# KiCad board main-board.kicad_pcb
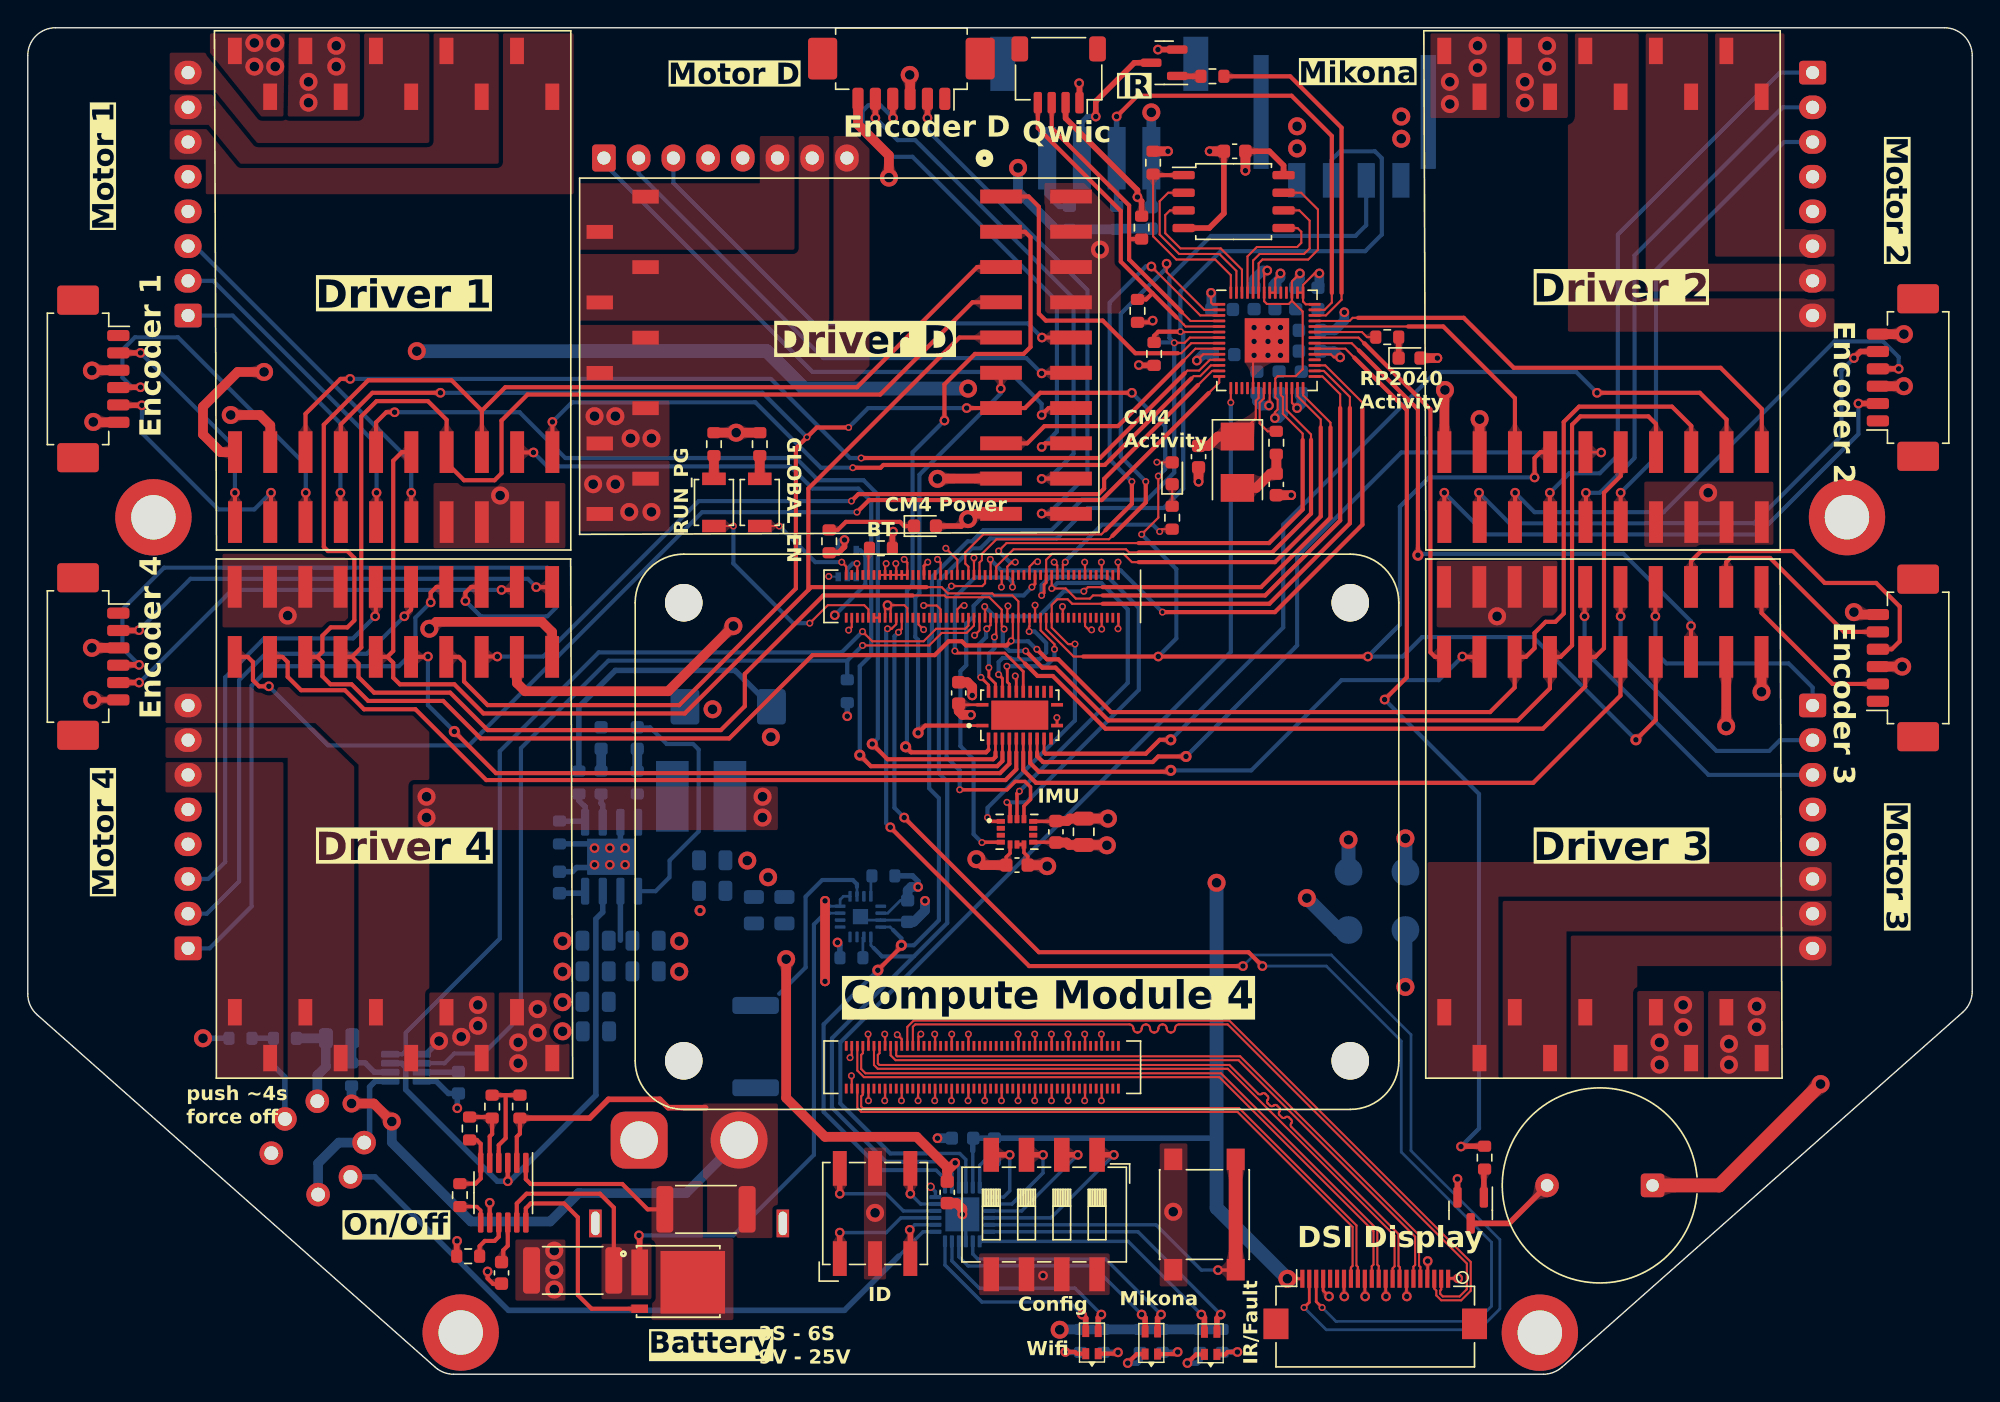
[diagram p0: board, top side]
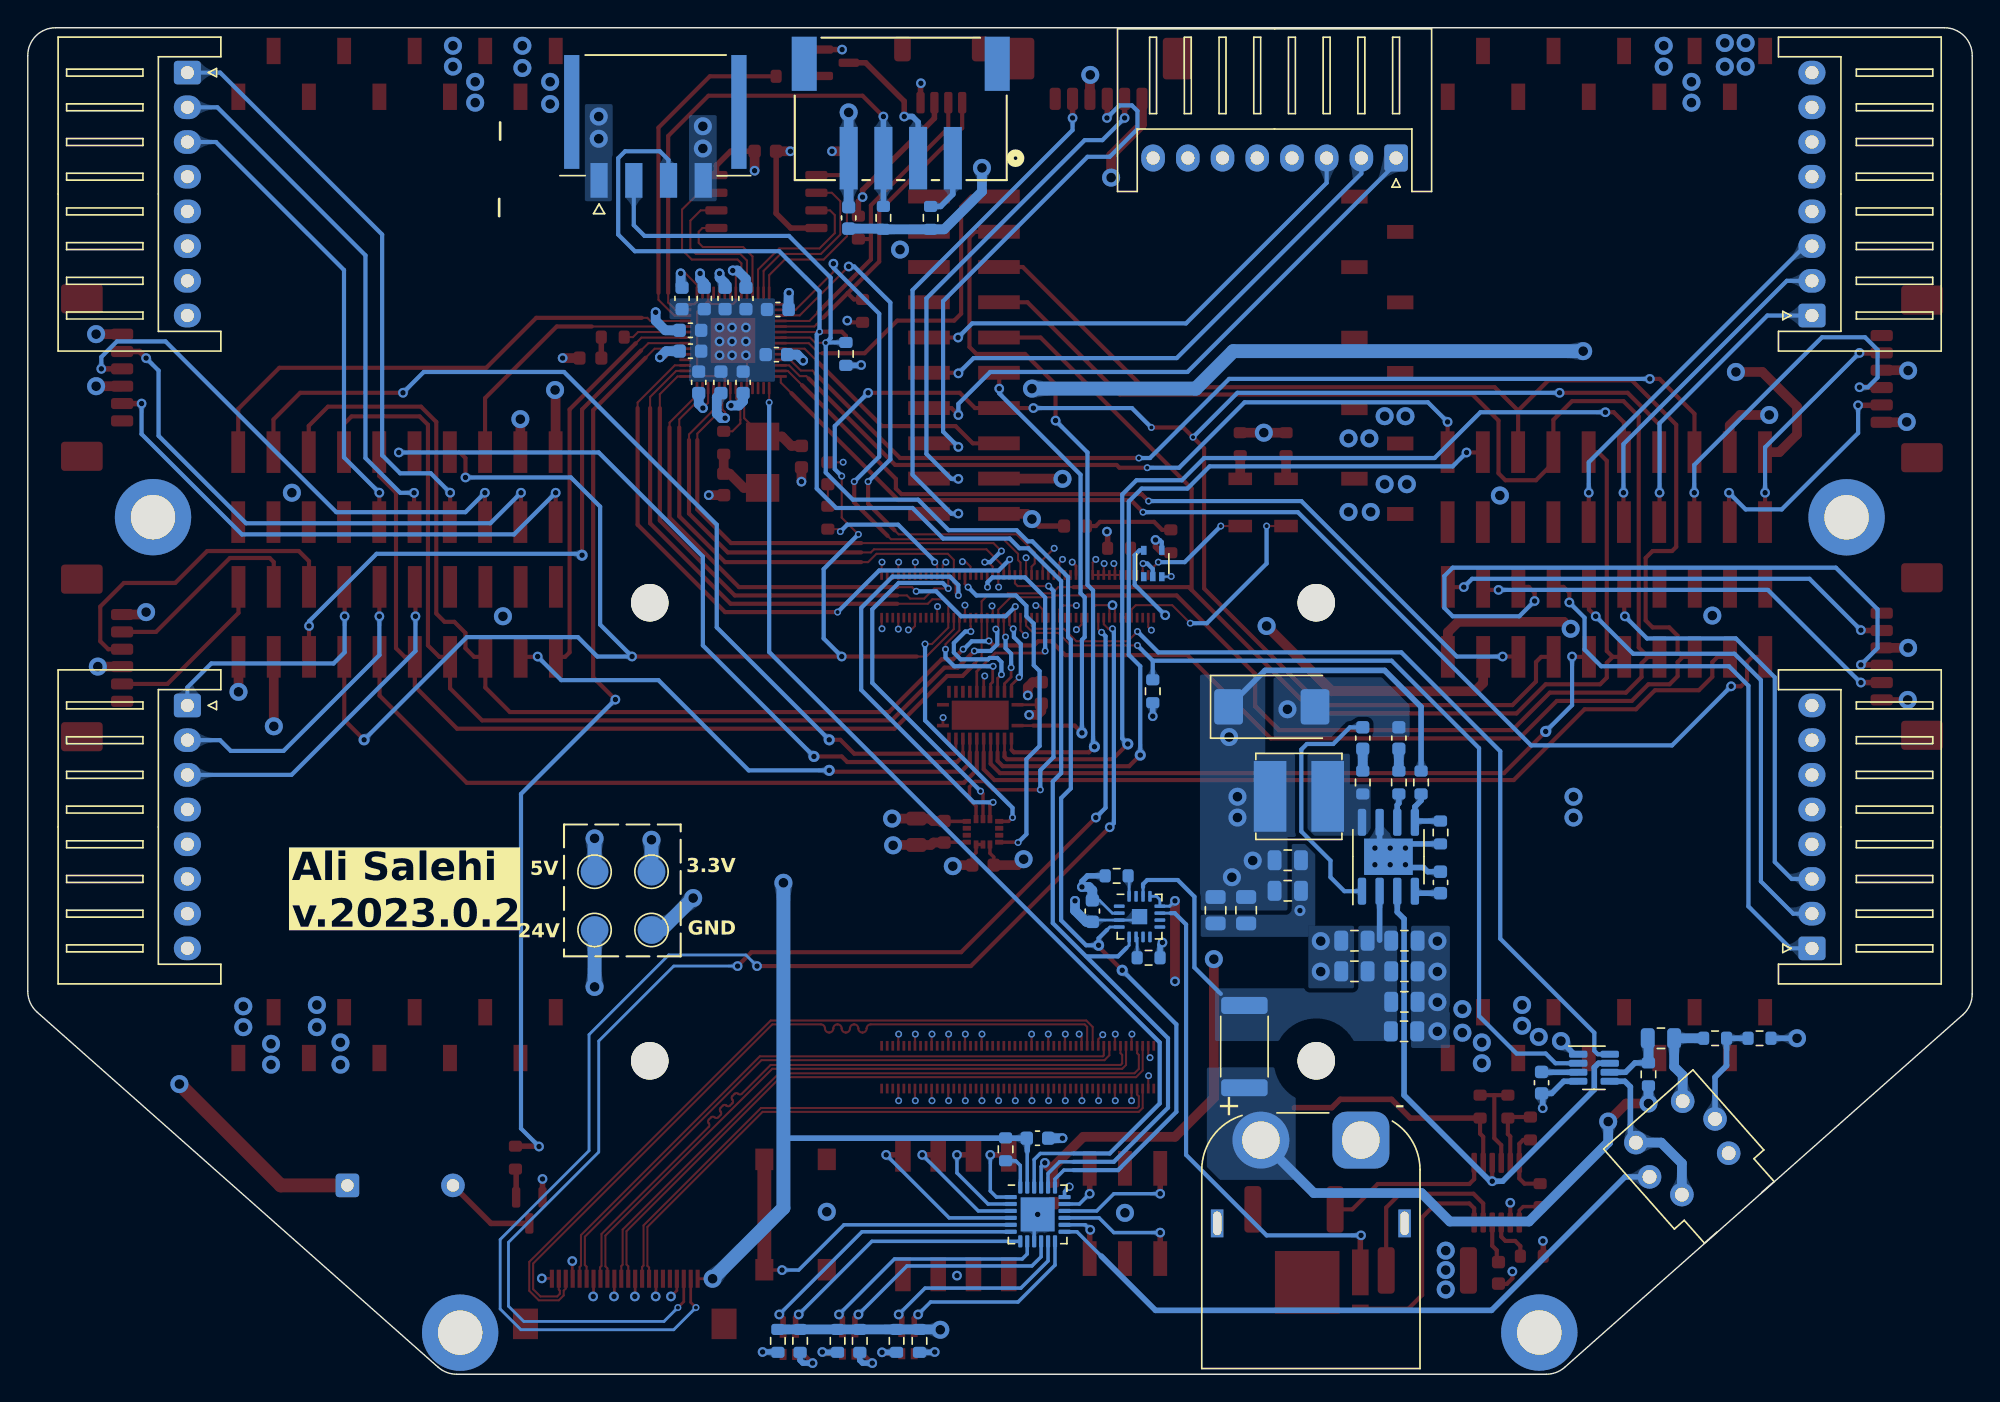
[diagram p1: board, bottom side, seen from below]

Outline 140.04 x 97 mm; copper layers: Top, In1.Cu, In2.Cu, Bottom. Coordinates in mm from the lower left corner of the outline.
Outline path: 0,95 0,27.4 arc(0.18,26.57) 0.67,25.9 29.35,0.5 arc(29.96,0.13) 30.67,0 109.16,0 arc(109.86,0.13) 110.48,0.5 139.37,26.09 arc(139.86,26.76) 140.04,27.58 140.04,95 arc(139.45,96.41) 138.04,97 2,97 arc(0.59,96.41) 0,95
Stack: Top 0.04mm / dielectric 0.2mm FR4 er 4.6 / In1.Cu 0.03mm / dielectric 1.03mm FR4 er 4.5 / In2.Cu 0.03mm / dielectric 0.2mm FR4 er 4.5 / Bottom 0.04mm

## Placement (name value [footprint] x y rotation side)
BZ501  Buzzer  [Indicator_PUI_AI-1440-TWT-24V-2-R]  117.02 13.6 180 top
C201  100nF  [C_0603_1608Metric]  67.04 49.08 90 top
C301  10nF  [C_0805_2012Metric]  22.42 24.2 180 bottom
C302  470nF  [C_0603_1608Metric]  31.02 21 270 bottom
C303  100nF  [C_0603_1608Metric]  63.37 33.37 270 bottom
C304  180nF  [C_0603_1608Metric]  34.12 7.3 270 top
C305  10uF  [C_0805_2012Metric]  49.29 37.03 180 bottom
C306  10uF  [C_0805_2012Metric]  52.29 33.43 270 bottom
C307  10uF  [C_0805_2012Metric]  49.29 34.83 180 bottom
C308  10uF  [C_0805_2012Metric]  54.49 33.43 270 bottom
C309  100nF  [C_0603_1608Metric]  43.89 45.83 90 bottom
C310  100uF  [CP_EIA-7343-31_Kemet-D]  50.44 48.08 180 bottom
C311  10uF  [C_0805_2012Metric]  40.89 26.83 180 bottom
C312  10uF  [C_0805_2012Metric]  44.49 31.23 0 bottom
C313  10uF  [C_0805_2012Metric]  40.89 31.23 180 bottom
C314  10uF  [C_0805_2012Metric]  44.49 29.03 0 bottom
C315  10uF  [C_0805_2012Metric]  40.89 29.03 180 bottom
C316  10uF  [C_0805_2012Metric]  40.92 24.7 180 bottom
C317  100nF  [C_0603_1608Metric]  38.29 35.43 90 bottom
C318  1.2nF  [C_0603_1608Metric]  41.29 45.83 90 bottom
C401  100nF  [C_0603_1608Metric]  66.22 13.1 270 top
C501  100nF  [C_0603_1608Metric]  88.32 77.5 270 bottom
C502  100nF  [C_0603_1608Metric]  90.12 71.45 90 bottom
C503  100nF  [C_0603_1608Metric]  89.82 77.5 270 bottom
C504  100nF  [C_0603_1608Metric]  86.02 76.7 0 bottom
C505  100nF  [C_0603_1608Metric]  92.32 75.2 180 bottom
C506  100nF  [C_0603_1608Metric]  86.12 73.45 0 bottom
C507  100nF  [C_0603_1608Metric]  88.52 71.45 90 bottom
C508  100nF  [C_0603_1608Metric]  91.72 71.45 90 bottom
C509  100nF  [C_0603_1608Metric]  92.32 73.7 180 bottom
C510  1uF  [C_0603_1608Metric]  91.32 77.5 270 bottom
C511  1uF  [C_0603_1608Metric]  92.92 77.5 270 bottom
C512  27pF  [C_0603_1608Metric]  84.32 66.1 270 top
C513  27pF  [C_0603_1608Metric]  89.92 64.1 270 top
C514  100nF  [C_0603_1608Metric]  86.92 88.1 180 top
C515  100nF  [C_0603_1608Metric]  67.32 17 180 bottom
C601  100nF  [C_0603_1608Metric]  80.92 83.3 90 bottom
C602  100nF  [C_0603_1608Metric]  74.04 39.08 90 top
C603  2.2uF  [C_0805_2012Metric]  76.04 39.08 90 top
C604  10nF  [C_0603_1608Metric]  71.24 36.68 0 top
D201  LED Red  [LED_0603_1608Metric]  64.62 61.1 0 top
D202  LED Green  [LED_0603_1608Metric]  82.42 64.9 90 top
D401  WIFI  [B2612U]  76.64 2.28 90 top
D402  MIKONA  [B2612U]  80.92 2.25 90 top
D403  IR / FAULT  [B2612U]  85.19 2.23 90 top
D501  LED Green  [LED_0603_1608Metric]  99.52 73.2 0 top
H101  MountingHole_Pad  [MountingHole_3.2mm_M3_ISO14580_Pad]  9.05 61.73 0 top
H102  MountingHole_Pad  [MountingHole_3.2mm_M3_ISO14580_Pad]  131.02 61.74 0 top
H103  MountingHole_Pad  [MountingHole_3.2mm_M3_ISO14580_Pad]  31.18 3 0 top
H104  MountingHole_Pad  [MountingHole_3.2mm_M3_ISO14580_Pad]  108.9 2.99 0 top
J101  Battery  [AMASS_XT60PW-M_1x02_P7.20mm_Horizontal]  44.03 16.87 0 bottom
J102  Mikona  [MOLEX_1054301204]  94.84 90.78 0 bottom
J201  DSI  [Hirose_FH12-22S-0.5SH_1x22-1MP_P0.50mm_Horizontal]  97.04 5.03 0 top
J601  Qwiic  [JST_SH_SM04B-SRSS-TB_1x04-1MP_P1.00mm_Horizontal]  74.24 93.6 180 top
J602  IR  [CONN_S4B-XH-SM4-TB_JST]  77.17 91.16 0 bottom
J705  ENC1  [Molex_PicoBlade_53261-0671_1x06-1MP_P1.25mm_Horizontal]  4.12 71.7 270 top
J706  ENC2  [Molex_PicoBlade_53261-0671_1x06-1MP_P1.25mm_Horizontal]  135.64 71.8 90 top
J707  M1  [JST_XH_S8B-XH-A_1x08_P2.50mm_Horizontal]  11.54 76.27 90 bottom
J708  M2  [JST_XH_S8B-XH-A_1x08_P2.50mm_Horizontal]  128.54 93.77 270 bottom
J711  ENC3  [Molex_PicoBlade_53261-0671_1x06-1MP_P1.25mm_Horizontal]  135.64 51.6 90 top
J712  ENC4  [Molex_PicoBlade_53261-0671_1x06-1MP_P1.25mm_Horizontal]  4.12 51.7 270 top
J713  M3  [JST_XH_S8B-XH-A_1x08_P2.50mm_Horizontal]  128.54 48.18 270 bottom
J714  M4  [JST_XH_S8B-XH-A_1x08_P2.50mm_Horizontal]  11.54 30.68 90 bottom
J717  ENCD  [Molex_PicoBlade_53261-0671_1x06-1MP_P1.25mm_Horizontal]  62.92 94.28 180 top
J718  MD  [JST_XH_S8B-XH-A_1x08_P2.50mm_Horizontal]  41.49 87.62 0 bottom
L301  3.3µH  [L_Bourns_SRN6045TA]  48.49 41.63 0 bottom
Module201  ComputeModule4-CM4  [rpi-cm4]  47.24 55.58 270 top
Q301  BSC014N04LS  [TRANS_BSC014N04LSIATMA1]  46.84 6.68 0 top
Q501  BSS138  [SOT-23]  103.92 11.8 270 top
Q601  BSS138  [SOT-23]  81.84 94.48 180 top
R201  0  [R_0603_1608Metric]  61.44 59.5 0 top
R204  200  [R_0603_1608Metric]  52.72 67 270 top
R205  1K  [R_0603_1608Metric]  57.72 60 270 top
R206  1K  [R_0603_1608Metric]  82.42 61.7 270 top
R207  200  [R_0603_1608Metric]  49.42 67 270 top
R301  1mΩ  [R_2512_6332Metric]  48.84 11.88 0 top
R302  1mΩ  [R_2512_6332Metric]  39.24 7.48 0 top
R303  1K  [R_0603_1608Metric]  23.32 21.6 90 bottom
R304  1M  [R_0603_1608Metric]  35.44 19.28 90 top
R305  1K  [R_0603_1608Metric]  61.62 35.9 180 bottom
R306  5.6K  [R_0603_1608Metric]  33.44 19.28 270 top
R307  40.2K  [R_0603_1608Metric]  31.82 17.7 270 top
R308  1K  [R_0603_1608Metric]  59.32 30 0 bottom
R309  24K  [R_0603_1608Metric]  31.12 12.9 270 top
R310  10  [R_0603_1608Metric]  43.89 42.63 90 bottom
R311  2mΩ  [R_2512_6332Metric]  52.42 23.6 270 bottom
R312  12K 1%  [R_0603_1608Metric]  39.69 42.63 270 bottom
R313  20K 1%  [R_0603_1608Metric]  41.29 42.63 90 bottom
R314  2.2K 1%  [R_0603_1608Metric]  38.29 39.03 270 bottom
R315  1K  [R_0603_1608Metric]  31.72 8.5 0 top
R316  1K  [R_0603_1608Metric]  59.02 49.2 270 bottom
R317  1K  [R_0603_1608Metric]  18.52 24.2 0 bottom
R318  1K  [R_0603_1608Metric]  15.32 24.2 180 bottom
R401  10K  [R_0603_1608Metric]  69.62 16.2 270 bottom
R402  1K  [R_0603_1608Metric]  75.82 2.4 270 bottom
R403  1K  [R_0603_1608Metric]  77.47 2.4 270 bottom
R404  1K  [R_0603_1608Metric]  80.12 2.4 270 bottom
R405  1K  [R_0603_1608Metric]  81.72 2.4 270 bottom
R406  1K  [R_0603_1608Metric]  84.42 2.4 270 bottom
R407  1K  [R_0603_1608Metric]  86.02 2.4 270 bottom
R501  10  [R_0603_1608Metric]  104.92 15.6 270 top
R502  1K  [R_0603_1608Metric]  89.92 67.1 270 top
R503  1K  [R_0603_1608Metric]  97.91 74.71 0 top
R504  10K  [R_0603_1608Metric]  81.04 87.28 270 top
R505  1.8K  [R_0603_1608Metric]  80.22 82.6 270 top
R506  1.8K  [R_0603_1608Metric]  79.92 76.6 90 top
R507  1.8K  [R_0603_1608Metric]  81.12 73.5 90 top
R508  1.8K  [R_0603_1608Metric]  81.12 73.5 90 bottom
R601  300  [R_0603_1608Metric]  75.02 83.3 90 bottom
R602  36  [R_0603_1608Metric]  78.42 83.3 90 bottom
R603  10  [R_0603_1608Metric]  85.32 93.5 180 top
SW201  SW_Push  [SW_SPST_B3U-1000P]  52.72 62.8 270 top
SW202  SW_Push  [SW_SPST_B3U-1000P]  49.42 62.8 270 top
SW301  -  [228ADS2]  20.91 12.94 48.5 bottom
SW501  SH-7050  [Nidec_Copal_SH-7010A]  61.02 11.58 90 top
SW502  SW_DIP_x04  [SW_DIP_SPSTx04_Slide_6.7x11.72mm_W8.61mm_P2.54mm_LowProfile]  73.2 11.5 270 top
SW503  S_D_2  [SW_Push_1P1T_NO_6x6mm_H9.5mm]  84.74 11.5 270 top
TP301  24V  [TestPoint_Pad_D2.0mm]  99.22 32 90 bottom
TP302  5V  [TestPoint_Pad_D2.0mm]  99.22 36.2 90 bottom
TP303  3.3V  [TestPoint_Pad_D2.0mm]  95.12 36.2 90 bottom
TP304  GND  [TestPoint_Pad_D2.0mm]  95.12 32 90 bottom
U1  ~  [MotorDriver-SMT]  14.94 65.18 90 top
U2  ~  [MotorDriver-SMT]  102.04 65.18 90 top
U3  ~  [MotorDriver-SMT]  124.84 52.93 270 top
U4  ~  [MotorDriver-SMT]  37.74 52.93 270 top
U5  ~  [MotorDriver-SMT]  71.34 62 180 top
U201  74154  [DHVQFN24]  71.44 47.48 90 top
U202  74LVC1G07SE-7  [SOT-353_SC-70-5]  59.02 58.4 90 bottom
U301  LTC2955CTS8-1  [TSOT-23-8]  27.24 22.08 180 bottom
U302  PAC1954  [VQFN-16-1EP_3x3mm_P0.5mm_EP1.1x1.1mm]  59.97 32.97 180 bottom
U303  LTC4231-2  [MSOP-12_3x4mm_P0.65mm]  34.24 13.08 270 top
U304  AP64501SP-13  [SOIC-8-1EP_3.9x4.9mm_P1.27mm_EP2.62x3.51mm]  42.04 37.28 90 bottom
U501  RP2040  [QFN-56-1EP_7x7mm_P0.4mm_EP3.2x3.2mm]  89.24 74.48 0 top
U502  PI4IOE5V6416  [WQFN-24-1EP_4x4mm_P0.5mm_EP2.45x2.45mm]  67.31 11.51 180 bottom
U503  W25Q128JVS  [SOIC-8_5.23x5.23mm_P1.27mm]  86.84 84.48 0 top
U601  ICM-42688-P  [PQFN50P300X250X97-14N]  71.24 39.08 0 top
Y501  12MHz  [Crystal_SMD_5032-2Pin_5.0x3.2mm]  87.12 65.7 270 top

## Library data of the parts
BZ501 = -: Description: Buzzer, polarized; MPN: CPI-137-83T
C201 C303 C309 C317 C401 C501-C509 C514 C515 C601 C602 = -: Description: Unpolarized capacitor, small symbol; MPN: C0603C104K4RAC7081
C301 = -: Description: Unpolarized capacitor, small symbol; MPN: C0805C103K1RAC7025
C302 = -: Description: Unpolarized capacitor, small symbol; MPN: GRM188R71E474KA12J
C304 = -: Description: Unpolarized capacitor, small symbol; MPN: GCM188R71E184KA55D
C305-C308 C311-C316 = -: Description: Unpolarized capacitor, small symbol; MPN: GRM21BR61H106KE43L
C310 = -: Description: Polarized capacitor, small symbol; MPN: T491D107K010AT
C318 = -: Description: Unpolarized capacitor, small symbol; MPN: C0603C122K5RAC7867
C510 C511 = -: Description: Unpolarized capacitor, small symbol; MPN: C0603C105K4RAC7411
C512 C513 = -: Description: Unpolarized capacitor, small symbol; MPN: 06035C270JAT2A
C603 = -: Description: Unpolarized capacitor, small symbol; MPN: CC0805KKX7R9BB225
C604 = -: Description: Unpolarized capacitor, small symbol; MPN: C0603C103M5RAC7411
D201 = -: Description: Light emitting diode; MPN: B1911USD-20D000114U1930
D202 D501 = -: Description: Light emitting diode; MPN: B1911PG--20D000514U1930
D401 = -: Description: Dual LED, cathodes on pins 1 and 3; MPN: B2612UDNB20D000312U1930
D402 = -: Description: Dual LED, cathodes on pins 1 and 3; MPN: B2612UYNG20D000412U1930
D403 = -: Description: Dual LED, cathodes on pins 1 and 3; MPN: B2612USUG20D000312U1930
H101-H104 = -: Description: Mounting Hole with connection
J101 = -: Description: Generic connector, single row, 01x02, script generated (kicad-library-utils/schlib/autogen/connector/); MPN: XT60PW-M
J102 = -: Description: Generic connector, single row, 01x04, script generated (kicad-library-utils/schlib/autogen/connector/); MPN: 1054301204
J201 = -: Description: Generic connector, single row, 01x22, script generated (kicad-library-utils/schlib/autogen/connector/); MPN: FH12-22S-0.5SH55
J601 = -: Description: Generic connector, single row, 01x04, script generated (kicad-library-utils/schlib/autogen/connector/); MPN: SM04B-SRSS-TB(LF)(SN)
J602 = -: Description: Generic connector, single row, 01x04, script generated (kicad-library-utils/schlib/autogen/connector/); MPN: S4B-XH-SM4-TB(LF)(SN)
J705 J706 J711 J712 J717 = -: Description: Generic connector, single row, 01x06, script generated (kicad-library-utils/schlib/autogen/connector/); MPN: 0532610671
J707 J708 J713 J714 J718 = -: Description: Generic connector, single row, 01x08, script generated (kicad-library-utils/schlib/autogen/connector/); MPN: S8B-XH-A(LF)(SN)
L301 = -: Description: Inductor; MPN: SRN6045TA-3R3Y
Module201 = -: MPN: 2x DF40C-100DS-0.4V(51)
Q301 = -: MPN: BSC014N04LSIATMA1
Q501 Q601 = -: Description: 50V Vds, 0.22A Id, N-Channel MOSFET, SOT-23; MPN: BSS138-7-F
R201 = -: Description: Resistor, small US symbol; MPN: RMCF0603ZT0R00
R204 R207 = -: Description: Resistor, small US symbol; MPN: RC0603FR-13200RL
R205 R206 R303 R305 R308 R315-R318 R402-R407 R502 R503 = -: Description: Resistor, small US symbol; MPN: RC0603FR-101KL
R301 R302 = -: Description: Resistor, small US symbol; MPN: EBWM2512F1L00S9
R304 = -: Description: Resistor, small US symbol; MPN: RC0603DR-071ML
R306 = -: Description: Resistor, small US symbol; MPN: RT0603DRE075K6L
R307 = -: Description: Resistor, small US symbol; MPN: RT0603DRE0740K2L
R309 = -: Description: Resistor, small US symbol; MPN: RT0603DRE0724KL
R310 R501 R603 = -: Description: Resistor, small US symbol; MPN: RC0603FR-1010RL
R311 = -: Description: Resistor, small US symbol; MPN: PEWF2512F2L00Q9
R312 = -: Description: Resistor, small US symbol; MPN: RC0603FR-1312KL
R313 = -: Description: Resistor, small US symbol; MPN: RC0603FR-0720KL
R314 = -: Description: Resistor, small US symbol; MPN: RC0603FR-132K2L
R401 R504 = -: Description: Resistor, small US symbol; MPN: RC0603JR-1010KL
R505-R508 = -: Description: Resistor, small US symbol; MPN: RC0603FR-101K8L
R601 = -: Description: Resistor, small US symbol; MPN: RC0603JR-07300RL
R602 = -: Description: Resistor, small US symbol; MPN: RC0603FR-0736RL
SW201 SW202 = -: Description: Push button switch, generic, two pins; MPN: B3U-1000P
SW301 = -: Description: MEC 5G single pole normally-open illuminated tactile switch with two LEDs; MPN: 228ADS2AAWFCMBA
SW501 = -: Description: Rotary switch, 4-bit encoding, 16 positions, Real code; MPN: SH-7050TA
SW502 = -: Description: 4x DIP Switch, Single Pole Single Throw (SPST) switch, small symbol; MPN: 219-4MST
SW503 = -: Description: Push button switch, generic, two pins; MPN: PTS645SL43SMTR92 LFS
TP301-TP304 = -: Description: test point
U1-U5 = -: MPN: 61032021821 + NPPC101KFXC-RC
U201 = -: MPN: 74HCT154BQ,118
U202 = -: Description: Single Buffer Gate w/ Open Drain, Low-Voltage CMOS
U301 = -: MPN: LTC2955CTS8-1#TRMPBF
U302 = -: Description: Four Channel High-side Power Monitor, 32V, I2C, VQFN-16; MPN: PAC1954T-E/4MX
U303 = -: MPN: LTC4231CMS-2#PBF
U501 = -: Description: A microcontroller by Raspberry Pi; MPN: SC0914(13)
U502 = -: Description: I/O Expander 16 I²C 400 kHz 24-TQFN (4x4); MPN: PI4IOE5V6416ZDEX
U503 = -: Description: 128Mb Serial Flash Memory, Standard/Dual/Quad SPI, SOIC-8; MPN: W25Q128JVSIQ
Y501 = -: Description: Two pin crystal; MPN: 445C25D12M00000

## Footprints (pads in the part's own frame, mm; a bottom-side part is the same pattern mirrored in y, then rotated)
228ADS2
  round 1.7 hole 1: 1(5,-4.5) 2(0,-4.5) 3(5,0) 4(0,0) L1(2.5,0.9) L2(2.5,-5.4)
AMASS_XT60PW-M_1x02_P7.20mm_Horizontal
  rect 0.9x2 hole 0.6x1.7: (-3.15,6) (10.35,6)
  rrect 4.1x4.1 hole 2.7: 1(0,0)
  round 4.1 hole 2.7: 2(7.2,0)
B2612U
  rect 0.8x0.5 smd: 1(-0.8,-0.45) 2(0.8,-0.45) 3(0.8,0.45) 4(-0.8,0.45)
C_0603_1608Metric
  rrect 0.9x0.95 smd: 1(-0.775,0) 2(0.775,0)
C_0805_2012Metric
  rrect 1x1.45 smd: 1(-0.95,0) 2(0.95,0)
CONN_S4B-XH-SM4-TB_JST
  rect 1.3x4.5 smd: 1(-3.75,3.552) 2(-1.25,3.552) 3(1.25,3.552) 4(3.75,3.552)
  rect 1.8x3.9 smd: MP(-6.95,-3.248) MP(6.95,-3.248)
CP_EIA-7343-31_Kemet-D
  rrect 2.075x2.55 smd: 1(-3.112,0) 2(3.112,0)
Crystal_SMD_5032-2Pin_5.0x3.2mm
  rect 2x2.4 smd: 1(-1.85,0) 2(1.85,0)
DHVQFN24
  rect 0.26x0.86 smd: 1(-0.75,2.685) 12(-0.75,-2.685) 13(0.75,-2.685) 24(0.75,2.685)
  rect 0.86x0.26 smd: 2(-1.685,2.25) 3(-1.685,1.75) 4(-1.685,1.25) 5(-1.685,0.75) 6(-1.685,0.25) 7(-1.685,-0.25) 8(-1.685,-0.75) 9(-1.685,-1.25) 10(-1.685,-1.75) 11(-1.685,-2.25) 14(1.685,-2.25) 15(1.685,-1.75) 16(1.685,-1.25) 17(1.685,-0.75) 18(1.685,-0.25) 19(1.685,0.25) 20(1.685,0.75) 21(1.685,1.25) 22(1.685,1.75) 23(1.685,2.25)
  rect 2.1x4.1 smd: 25(0,0)
Hirose_FH12-22S-0.5SH_1x22-1MP_P0.50mm_Horizontal
  rect 0.3x1.3 smd: 1(5.25,1.85) 2(4.75,1.85) 3(4.25,1.85) 4(3.75,1.85) 5(3.25,1.85) 6(2.75,1.85) 7(2.25,1.85) 8(1.75,1.85) 9(1.25,1.85) 10(0.75,1.85) 11(0.25,1.85) 12(-0.25,1.85) 13(-0.75,1.85) 14(-1.25,1.85) 15(-1.75,1.85) 16(-2.25,1.85) 17(-2.75,1.85) 18(-3.25,1.85) 19(-3.75,1.85) 20(-4.25,1.85) 21(-4.75,1.85) 22(-5.25,1.85)
  rect 1.8x2.2 smd: MP(-7.15,-1.4) MP(7.15,-1.4)
Indicator_PUI_AI-1440-TWT-24V-2-R
  rrect 1.7x1.7 hole 0.9: 1(0,0)
  round 1.7 hole 0.9: 2(7.6,0)
JST_SH_SM04B-SRSS-TB_1x04-1MP_P1.00mm_Horizontal
  rrect 0.6x1.55 smd: 1(-1.5,2) 2(-0.5,2) 3(0.5,2) 4(1.5,2)
  rrect 1.2x1.8 smd: MP(-2.8,-1.875) MP(2.8,-1.875)
JST_XH_S8B-XH-A_1x08_P2.50mm_Horizontal
  rrect 1.7x1.95 hole 0.95: 1(0,0)
  oval 1.7x1.95 hole 0.95: 2(2.5,0) 3(5,0) 4(7.5,0) 5(10,0) 6(12.5,0) 7(15,0) 8(17.5,0)
L_Bourns_SRN6045TA
  rect 2.35x5.1 smd: 1(-2.075,0) 2(2.075,0)
LED_0603_1608Metric
  rrect 0.875x0.95 smd: 1(-0.787,0) 2(0.787,0)
MOLEX_1054301204
  rect 1.24x2.5 smd: 1(4.05,4.775) 2(1.55,4.775) 3(-0.95,4.775) 4(-3.45,4.775)
  rect 1.1x8.2 smd: SH(-6.02,-0.155) SH(6.02,-0.155)
Molex_PicoBlade_53261-0671_1x06-1MP_P1.25mm_Horizontal
  rrect 0.8x1.6 smd: 1(-3.125,2.4) 2(-1.875,2.4) 3(-0.625,2.4) 4(0.625,2.4) 5(1.875,2.4) 6(3.125,2.4)
  rrect 2.1x3 smd: MP(-5.675,-0.5) MP(5.675,-0.5)
MotorDriver-SMT
  rect 3x1 smd: 1(1.25,0.02) 2(-3.79,0.02) 3(1.25,-2.52) 4(-3.79,-2.52) 5(1.25,-5.06) 6(-3.79,-5.06) 7(1.25,-7.6) 8(-3.79,-7.6) 9(1.25,-10.14) 10(-3.79,-10.14) 11(1.25,-12.68) 12(-3.79,-12.68) 13(1.25,-15.22) 14(-3.79,-15.22) 15(1.25,-17.76) 16(-3.79,-17.76) 17(1.25,-20.3) 18(-3.79,-20.3) 19(1.25,-22.84) 20(-3.79,-22.84)
  rect 1.9x1 smd: 21(30.15,0.03) 22(26.85,-2.51) 23(30.15,-5.05) 24(26.85,-7.59) 25(30.15,-10.13) 26(26.85,-12.67) 27(30.15,-15.21) 28(26.85,-17.75) 29(30.15,-20.29) 30(26.85,-22.83)
MountingHole_3.2mm_M3_ISO14580_Pad
  round 5.5 hole 3.2: 1(0,0)
MSOP-12_3x4mm_P0.65mm
  rrect 1.45x0.4 smd: 1(-2.15,1.625) 2(-2.15,0.975) 3(-2.15,0.325) 4(-2.15,-0.325) 5(-2.15,-0.975) 6(-2.15,-1.625) 7(2.15,-1.625) 8(2.15,-0.975) 9(2.15,-0.325) 10(2.15,0.325) 11(2.15,0.975) 12(2.15,1.625)
Nidec_Copal_SH-7010A
  rect 2.5x1 smd: 1(-3.25,2.54) 2(3.25,-2.54) 4(-3.25,-2.54) 8(3.25,2.54) C(-3.25,0) C(3.25,0)
PQFN50P300X250X97-14N
  rrect 0.59x0.35 smd: 1(-1.165,0.75) 2(-1.165,0.25) 3(-1.165,-0.25) 4(-1.165,-0.75) 8(1.165,-0.75) 9(1.165,-0.25) 10(1.165,0.25) 11(1.165,0.75)
  rrect 0.35x0.59 smd: 5(-0.5,-0.915) 6(0,-0.915) 7(0.5,-0.915) 12(0.5,0.915) 13(0,0.915) 14(-0.5,0.915)
QFN-56-1EP_7x7mm_P0.4mm_EP3.2x3.2mm
  rrect 1.29x1.29 smd: (-0.8,0.8) (-0.8,-0.8) (0.8,0.8) (0.8,-0.8)
  rrect 0.875x0.2 smd: 1(-3.438,2.6) 2(-3.438,2.2) 3(-3.438,1.8) 4(-3.438,1.4) 5(-3.438,1) 6(-3.438,0.6) 7(-3.438,0.2) 8(-3.438,-0.2) 9(-3.438,-0.6) 10(-3.438,-1) 11(-3.438,-1.4) 12(-3.438,-1.8) 13(-3.438,-2.2) 14(-3.438,-2.6) 29(3.438,-2.6) 30(3.438,-2.2) 31(3.438,-1.8) 32(3.438,-1.4) 33(3.438,-1) 34(3.438,-0.6) 35(3.438,-0.2) 36(3.438,0.2) 37(3.438,0.6) 38(3.438,1) 39(3.438,1.4) 40(3.438,1.8) 41(3.438,2.2) 42(3.438,2.6)
  rrect 0.2x0.875 smd: 15(-2.6,-3.438) 16(-2.2,-3.438) 17(-1.8,-3.438) 18(-1.4,-3.438) 19(-1,-3.438) 20(-0.6,-3.438) 21(-0.2,-3.438) 22(0.2,-3.438) 23(0.6,-3.438) 24(1,-3.438) 25(1.4,-3.438) 26(1.8,-3.438) 27(2.2,-3.438) 28(2.6,-3.438) 43(2.6,3.438) 44(2.2,3.438) 45(1.8,3.438) 46(1.4,3.438) 47(1,3.438) 48(0.6,3.438) 49(0.2,3.438) 50(-0.2,3.438) 51(-0.6,3.438) 52(-1,3.438) 53(-1.4,3.438) 54(-1.8,3.438) 55(-2.2,3.438) 56(-2.6,3.438)
  rect 3.2x3.2 smd: 57(0,0)
R_0603_1608Metric
  rrect 0.8x0.95 smd: 1(-0.825,0) 2(0.825,0)
R_2512_6332Metric
  rrect 1.225x3.35 smd: 1(-2.962,0) 2(2.962,0)
rpi-cm4
  round 2.7 hole 2.7 unplated: (0,48) (0,0) (33,48) (33,0)
  rect 0.7x0.2 smd: 1(-2,31.3) 2(1.08,31.3) 3(-2,30.9) 4(1.08,30.9) 5(-2,30.5) 6(1.08,30.5) 7(-2,30.1) 8(1.08,30.1) 9(-2,29.7) 10(1.08,29.7) 11(-2,29.3) 12(1.08,29.3) 13(-2,28.9) 14(1.08,28.9) 15(-2,28.5) 16(1.08,28.5) 17(-2,28.1) 18(1.08,28.1) 19(-2,27.7) 20(1.08,27.7) 21(-2,27.3) 22(1.08,27.3) 23(-2,26.9) 24(1.08,26.9) 25(-2,26.5) 26(1.08,26.5) 27(-2,26.1) 28(1.08,26.1) 29(-2,25.7) 30(1.08,25.7) 31(-2,25.3) 32(1.08,25.3) 33(-2,24.9) 34(1.08,24.9) 35(-2,24.5) 36(1.08,24.5) 37(-2,24.1) 38(1.08,24.1) 39(-2,23.7) 40(1.08,23.7) 41(-2,23.3) 42(1.08,23.3) 43(-2,22.9) 44(1.08,22.9) 45(-2,22.5) 46(1.08,22.5) 47(-2,22.1) 48(1.08,22.1) 49(-2,21.7) 50(1.08,21.7) 51(-2,21.3) 52(1.08,21.3) 53(-2,20.9) 54(1.08,20.9) 55(-2,20.5) 56(1.08,20.5) 57(-2,20.1) 58(1.08,20.1) 59(-2,19.7) 60(1.08,19.7) 61(-2,19.3) 62(1.08,19.3) 63(-2,18.9) 64(1.08,18.9) 65(-2,18.5) 66(1.08,18.5) 67(-2,18.1) 68(1.08,18.1) 69(-2,17.7) 70(1.08,17.7) 71(-2,17.3) 72(1.08,17.3) 73(-2,16.9) 74(1.08,16.9) 75(-2,16.5) 76(1.08,16.5) 77(-2,16.1) 78(1.08,16.1) 79(-2,15.7) 80(1.08,15.7) 81(-2,15.3) 82(1.08,15.3) 83(-2,14.9) 84(1.08,14.9) 85(-2,14.5) 86(1.08,14.5) 87(-2,14.1) 88(1.08,14.1) 89(-2,13.7) 90(1.08,13.7) 91(-2,13.3) 92(1.08,13.3) 93(-2,12.9) 94(1.08,12.9) 95(-2,12.5) 96(1.08,12.5) 97(-2,12.1) 98(1.08,12.1) 99(-2,11.7) 100(1.08,11.7) 101(31.92,31.3) 102(35,31.3) 103(31.92,30.9) 104(35,30.9) 105(31.92,30.5) 106(35,30.5) 107(31.92,30.1) 108(35,30.1) 109(31.92,29.7) 110(35,29.7) 111(31.92,29.3) 112(35,29.3) 113(31.92,28.9) 114(35,28.9) 115(31.92,28.5) 116(35,28.5) 117(31.92,28.1) 118(35,28.1) 119(31.92,27.7) 120(35,27.7) 121(31.92,27.3) 122(35,27.3) 123(31.92,26.9) 124(35,26.9) 125(31.92,26.5) 126(35,26.5) 127(31.92,26.1) 128(35,26.1) 129(31.92,25.7) 130(35,25.7) 131(31.92,25.3) 132(35,25.3) 133(31.92,24.9) 134(35,24.9) 135(31.92,24.5) 136(35,24.5) 137(31.92,24.1) 138(35,24.1) 139(31.92,23.7) 140(35,23.7) 141(31.92,23.3) 142(35,23.3) 143(31.92,22.9) 144(35,22.9) 145(31.92,22.5) 146(35,22.5) 147(31.92,22.1) 148(35,22.1) 149(31.92,21.7) 150(35,21.7) 151(31.92,21.3) 152(35,21.3) 153(31.92,20.9) 154(35,20.9) 155(31.92,20.5) 156(35,20.5) 157(31.92,20.1) 158(35,20.1) 159(31.92,19.7) 160(35,19.7) 161(31.92,19.3) 162(35,19.3) 163(31.92,18.9) 164(35,18.9) 165(31.92,18.5) 166(35,18.5) 167(31.92,18.1) 168(35,18.1) 169(31.92,17.7) 170(35,17.7) 171(31.92,17.3) 172(35,17.3) 173(31.92,16.9) 174(35,16.9) 175(31.92,16.5) 176(35,16.5) 177(31.92,16.1) 178(35,16.1) 179(31.92,15.7) 180(35,15.7) 181(31.92,15.3) 182(35,15.3) 183(31.92,14.9) 184(35,14.9) 185(31.92,14.5) 186(35,14.5) 187(31.92,14.1) 188(35,14.1) 189(31.92,13.7) 190(35,13.7) 191(31.92,13.3) 192(35,13.3) 193(31.92,12.9) 194(35,12.9) 195(31.92,12.5) 196(35,12.5) 197(31.92,12.1) 198(35,12.1) 199(31.92,11.7) 200(35,11.7)